# Allegro board 1140022-KU060_PCIE_FIBER_BOARD_V001_pcb166_20240120_1835_pcb.brd (continued)
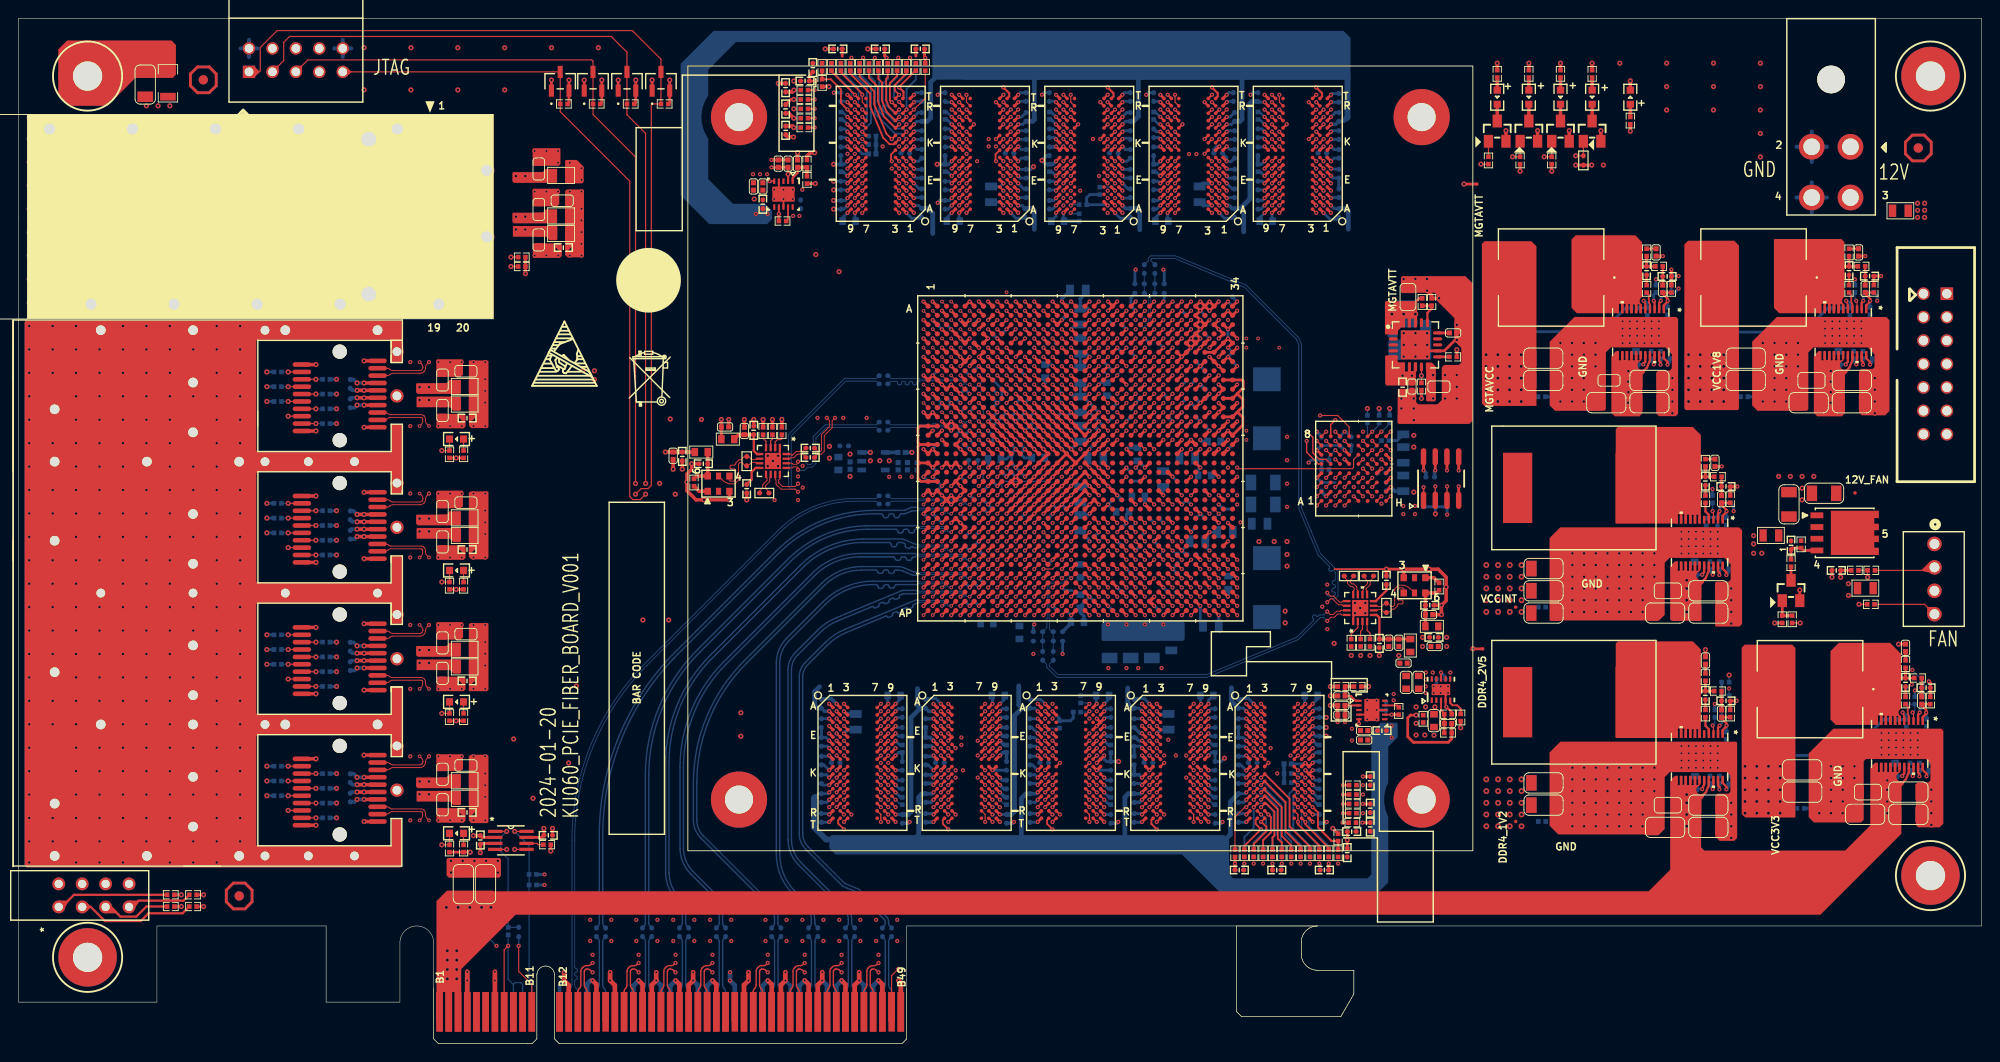
[diagram p0: board, top side]
## Text on the board (continued)
DEVICE_TYPE_TOP: V-cut | R387 | R77 | R389 | R390 | R388 | C192 | C194 | R338 | FER1 | FER4 | R99 | R95 | R100 | C172 | R271 | R264 | R263 | R259 | R275 | R281 | R282 | C136 | C119 | C233 | R266 | R265 | R274 | R277 | R284 | R287 | R288 | FB4 | C142 | R104 | C204 | C203 | R105 | R108 | C423 | C109 | FB3 | R94 | R109 | C444 | C446 | R103 | C416 | C413 | C424 | C372 | R276 | C378 | R341 | C467 | C462 | C461 | C459 | C130 | C146 | C465 | C157 | R107 | R106 | C466 | R340 | R268 | R270 | R96 | C464 | C463 | C158 | C425 | C414 | C415 | C419 | C374 | C418 | C264 | C283 | C280 | C281 | C291 | C292 | C198 | R101 | C287 | C421 | C282 | C426 | C155 | R289 | R102 | C152 | C171 | C151 | C153 | C170 | C169 | C167 | C376 | C434 | C428 | C111 | C187 | C115 | C124 | C123 | C137 | R110 | C190 | C118 | C122 | C439 | C371 | C440 | C262 | C289 | C290 | C196 | R111 | C195 | C116 | C168 | C143 | C181 | C278 | C279 | C267 | C145 | C183 | C373 | C139 | C442 | C441 | C431 | C429 | C437 | C433 | C144 | C184 | C436 | C303 | C131 | C182 | C134 | C135 | C128 | C127 | C406 | C364 | C300 | C265 | C308 | C302 | C296 | C297 | C307 | C165 | C179 | C370 | C401 | C395 | C407 | C176 | C305 | C263 | C306 | C177 | C132 | C178 | C174 | C236 | C126 | C133 | C215 | C232 | C234 | C294 | C269 | C295 | C216 | C408 | C409 | C398 | C396 | C403 | C366 | C175 | C160 | C400 | C214 | C163 | C186 | C161 | C404 | C320 | C237 | C113 | C117 | C112 | C188 | C235 | C391 | C363 | C162 | C317 | C271 | C326 | C319 | C313 | C314 | C325 | C148 | C383 | C380 | C368 | C138 | C149 | C154 | C150 | C105 | C114 | C159 | C213 | C156 | C389 | C324 | C270 | C321 | C311 | C275 | C106 | C312 | C385 | C141 | C120 | C147 | C335 | C125 | C189 | C185 | C173 | R246 | C367 | C341 | R369 | R368 | C333 | C108 | C107 | C388 | C393 | C392 | C381 | C382 | C387 | C365 | R248 | C273 | C334 | C328 | C330 | C340 | C197 | R209 | R207 | C140 | R113 | R116 | C338 | C327 | C329 | C277 | R215 | C272 | C339 | R115 | C207 | R227 | R222 | R219 | R216 | R213 | R204 | R205 | R125 | R128 | R130 | C219 | C220 | R211 | R224 | R200 | R198 | R206 | R212 | R210 | R48 | R27 | C45 | C53 | R37 | C54 | R49 | R384 | R4 | R26 | R34 | C563 | C550 | R383 | C26 | R380 | C547 | C498 | C499 | S2 | S3 | A1 | A11 | A12 | A49 | TC1 | S5 | U15 | C552 | C555 | C560 | C482 | C491 | C490 | C483 | R333 | C193 | C191 | C502 | C503 | C500 | C501 | C504 | C505 | C506 | C507 | C508 | C422 | C509 | C412 | C110 | C510 | C417 | C511 | C411 | C420 | R278 | C512 | C513 | C427 | C284 | C293 | C514 | C515 | C438 | C285 | C516 | C517 | C286 | C430 | C121 | C349 | C432 | C222 | C435 | C288 | C223 | C353 | C443 | C221 | C224 | C255 | C352 | C129 | C256 | C164 | C405 | C309 | C301 | C230 | C298 | C357 | C299 | C397 | C348 | C247 | C399 | C252 | C402 | C304 | C410 | C356 | R229 | C251 | C390 | C322 | C318 | C315 | C231 | C316 | C248 | C379 | C384 | C180 | C394 | C386 | C323 | C166 | R217 | C342 | C336 | C310 | C206 | C332 | C209 | C331 | C337 | C212 | C211 | C208 | C98 | R53 | R80 | C99 | C7 | C562 | C548 | R50 | C6 | R35 | R40 | R378 | C65 | C74 | R386 | R42 | R47 | R377 | C553 | C564 | C556 | C554 | RP1
COMPVAL_TYPE_TOP: D8 | J1 | SYNC_IN_P | J3 | SYNC_IN_N | J2 | CLK | R138 | R139 | R349 | R350 | R68 | JTAG | T1 | ORISI-PCIEx8KU-383 v2.0 | R72 | R69 | U9 | R66 | R67 | C86 | C89 | C84 | FB1 | C90 | D1 | C91 | C85 | C200 | C202 | U8 | 5 | 8 | R112 | R63 | SW6 | R304 | R290 | R294 | R299 | R297 | R295 | R329 | R315 | R320 | R322 | R324 | R319 | P1 | QSFP+B | QSFP+A | P2 | 1 | 4 | R337 | R336 | R335 | C493 | FER3 | FER6 | FER5 | FER2 | C485 | X8 | X4 | X1 | R285 | R272 | R283 | C201 | C199 | R302 | R291 | R300 | R327 | R316 | R325 | R97 | R98 | R328 | R326 | R321 | R323 | R303 | R301 | R296 | R298 | C546 | C542 | C543 | C541 | C545 | R32 | R31 | C67 | C52 | R286 | R273 | R267 | U5 | R43 | C66 | C55 | C59 | C544 | C539 | C538 | R39 | C56 | C58 | C57 | R260 | R258 | R262 | R269 | R261 | R280 | C537 | C540 | C478 | C479 | C474 | C475 | C470 | C471 | C458 | C460 | C454 | C456 | C450 | C452 | C447 | C448 | C481 | C480 | C477 | C476 | C473 | C472 | C469 | C468 | C457 | C455 | C453 | C451 | C449 | C445 | 9 | C346 | 7 | R187 | C266 | 3 | 2 | U14 | AA | AB | AC | AD | AE | AF | AG | AH | AJ | AK | AL | AM | AN | AP | R | N | L | J | G | E | C | A | B | D | F | H | K | M | P | T | U | V | W | Y | R231 | R234 | C358 | C343 | R255 | C377 | R257 | C360 | R233 | R236 | C345 | C253 | 6 | C350 | 10 | 11 | R188 | C268 | R186 | 12 | 13 | 14 | C245 | R254 | C375 | R256 | 15 | 16 | 17 | C260 | C261 | 18 | 19 | 20 | 21 | C243 | R171 | R174 | C258 | 22 | C344 | 23 | R232 | R235 | C359 | 24 | C257 | R173 | 25 | R195 | C274 | R193 | 26 | 27 | C242 | R170 | 28 | 29 | R247 | C369 | R249 | 30 | 31 | 32 | 33 | C244 | R175 | R172 | C259 | 34 | C361 | C362 | C249 | C355 | R364 | R365 | R372 | R373 | R370 | R371 | R366 | R367 | R362 | R363 | R360 | R361 | R358 | R359 | R356 | R357 | V-cut | R196 | C276 | R194 | R150 | R151 | C218 | C239 | U19 | C240 | U32 | R127 | C217 | R126 | R123 | R131 | R339 | R119 | R121 | R122 | R120 | R129 | R124 | U17 | C225 | U10 | C82 | C83 | U18 | C95 | FB2 | C97 | C33 | C34 | C36 | R221 | R226 | R223 | R208 | R201 | R197 | R199 | C96 | U7 | C100 | C101 | R23 | C532 | C536 | C531 | C528 | C534 | C35 | R24 | R61 | R60 | R58 | C205 | U3 | C527 | R220 | R214 | R202 | R203 | R225 | R52 | J5 | R54 | C533 | C535 | C530 | C529 | C37 | C32 | R21 | R22 | C40 | C41 | LVDS | U11 | U6 | C77 | R55 | C76 | +1.8V | U4 | C72 | +3.3V | C43 | C44 | C70 | C557 | C12 | LVCOMS33 | R379 | L2 | R45 | C549 | R3 | TP1 | NET | TP2 | TP3 | R29 | C68 | R44 | TP4 | C75 | R376 | L1 | R38 | U35 | R10 | C28 | U2 | C29 | R5 | R33 | R149 | R25 | C559 | C38 | C42 | C27 | R6 | U20 | R13 | C227 | R141 | R146 | C228 | R142 | R145 | C229 | R143 | R144 | C226 | R140 | R147 | C565 | R385 | PWR | C522 | C521 | C520 | C524 | R382 | SW5 | C523 | J7 | D10 | D2 | D3 | D4 | D5 | D6 | D7 | D9 | +12V | Fan PWR | JP1 | R132 | R133 | R134 | R135 | R136 | R137 | R374 | R375 | GND | S1 | S4 | J6 | B1 | B11 | B12 | J4 | TC8 | U31 | U24 | B49 | U30 | U25 | U29 | U26 | U28 | U27 | R51 | 84 | 83 | U12 | J8 | S6 | U16 | R70 | R348 | R161 | R351 | R352 | R354 | R355 | TMS | C525 | C526 | R353 | TDI | R75 | TDO | R74 | R71 | R73 | TCK | R76 | C92 | C93 | VCC | R65 | R64 | C88 | C87 | C495 | C497 | C489 | C487 | R332 | C486 | C494 | C488 | C496 | R334 | R306 | R305 | R331 | R330 | C492 | R293 | R292 | R318 | R317 | C484 | R251 | R185 | R250 | C347 | R228 | C250 | R178 | R181 | R179 | R180 | R176 | R177 | R243 | C351 | R230 | R168 | C246 | R182 | R239 | R167 | R169 | R242 | C354 | R240 | R241 | R237 | R238 | R164 | R163 | R159 | R158 | R148 | R189 | R160 | C518 | R81 | R82 | C81 | R114 | C254 | R190 | R118 | C80 | R79 | R78 | R59 | R117 | C210 | C39 | C94 | C79 | C78 | C48 | C60 | C69 | C16 | C71 | C64 | C51 | C3 | C73 | C62 | C47 | C13 | C5 | C14 | C4 | C2 | C1 | C15 | C46 | R12 | C11 | R1 | R8 | C49 | C63 | C61 | C50 | C31 | R7 | C102 | C30 | C561 | R344 | R85 | R9 | R345 | D13 | R86 | R343 | JP2 | C551 | R347 | R92 | R342 | R346 | C519 | U33 | C558 | R93 | C104 | U34 | RP2 | TC6 | R57 | TC5 | TC7 | TC4 | TC3 | R2 | *
User.12: FIGURE | SIZE | 8.0 | 10.0 | 12.0 | 35.0 | 37.0 | 37.4 | 40.0 | 41.34 | 42.0 | 47.24 | 71.0 | 118.0 | 120.0 | 125.0 | 60.98 | 62.99 | 80.0 | DRILL CHART: TOP to BOTTOM | ALL UNITS ARE IN MILS | TOLERANCE | +3.0/-3.0 | +2.0/-2.0 | +0.0/-0.0 | PLATED | NON-PLATED | QTY | 2601 | 903 | 126 | 8 | 10 | 20 | 14 | 26 | 4 | 12 | 1 | 2
